# Allegro board 8880F5-0823_1_maisha.brd (continued)
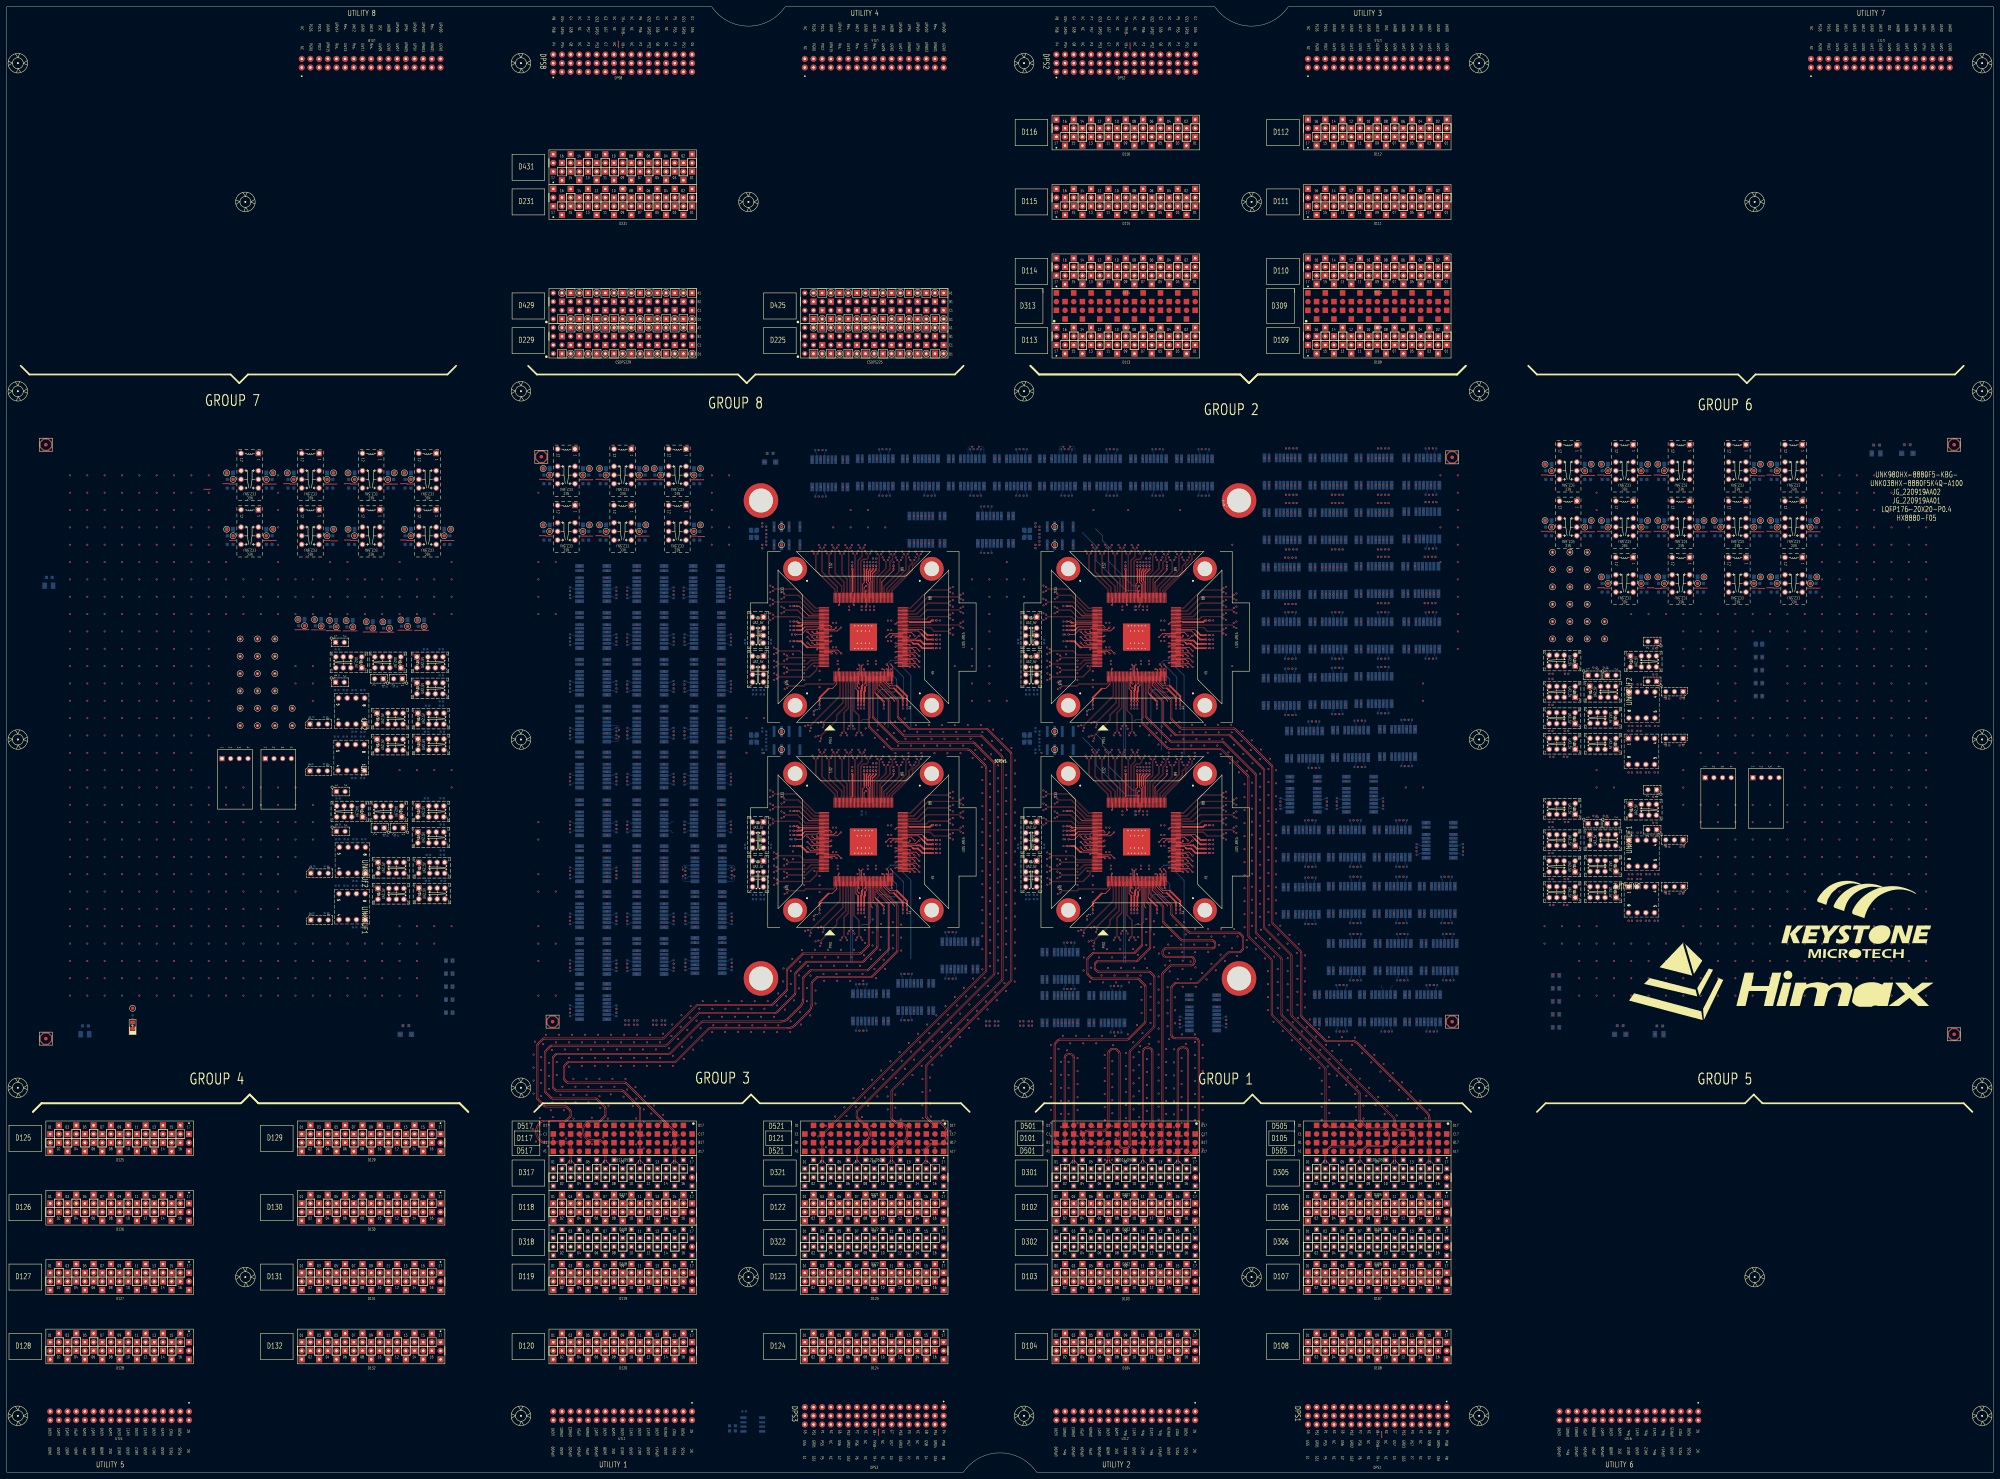
[diagram p0: board, top side]
## Routing (per net, layer and track width the routed paths; a pad name or vN(x,y) marks a point on that pad's centre or on a via; arc(x,y) is an arc through that point) (continued)
D32114: length 192.4
  TOP w0.147: D321.14 268.82,91.02 arc(268.98,91.26) 269.04,91.55 269.04,94.71 arc(269.1,95) 269.26,95.23 270.17,96.15 arc(270.41,96.31) 270.69,96.37 273.45,96.37 arc(273.58,96.39) 273.69,96.47 274.2,96.97 arc(274.81,97.88) 275.02,98.96 275.02,99.37 arc(274.81,100.45) 274.2,101.36 273.53,102.03 arc(273.42,102.1) 273.29,102.13 271.08,102.13 arc(270.8,102.18) 270.56,102.34 269.26,103.65 arc(269.1,103.89) 269.04,104.17 269.04,118.95 arc(269.1,119.23) 269.26,119.47 293.83,144.04 arc(293.9,144.15) 293.93,144.28 293.93,210.44 arc(293.9,210.57) 293.83,210.68 287.07,217.44 arc(286.96,217.51) 286.83,217.54 264.6,217.54 arc(264.31,217.59) 264.07,217.75 260.94,220.89 arc(260.78,221.13) 260.72,221.41 260.72,225.92 arc(260.7,226.05) 260.62,226.16 256.01,230.77 arc(255.88,230.97) 255.83,231.2 255.83,231.32 255.83,231.33 SITE1.35
D32116: length 192.4
  TOP w0.147: SITE1.36 256.23,231.33 256.23,231.32 256.23,231.2 arc(256.24,231.12) 256.29,231.06 260.9,226.44 arc(261.06,226.2) 261.12,225.92 261.12,221.41 arc(261.14,221.28) 261.22,221.17 264.35,218.03 arc(264.47,217.96) 264.6,217.93 286.83,217.93 arc(287.11,217.88) 287.35,217.72 294.11,210.96 arc(294.27,210.72) 294.32,210.44 294.32,144.28 arc(294.27,144) 294.11,143.76 269.54,119.19 arc(269.46,119.08) 269.44,118.95 269.44,104.17 arc(269.46,104.04) 269.54,103.93 270.84,102.62 arc(270.95,102.55) 271.08,102.52 273.29,102.52 arc(273.57,102.47) 273.81,102.31 274.48,101.64 arc(275.18,100.6) 275.42,99.37 275.42,98.96 arc(275.18,97.73) 274.48,96.69 273.97,96.18 arc(273.73,96.02) 273.45,95.97 270.69,95.97 arc(270.56,95.94) 270.45,95.87 269.54,94.95 arc(269.46,94.84) 269.44,94.71 269.44,91.55 arc(269.49,91.27) 269.65,91.03 D321.16
Net_1: length 1.5
  TOP w0.231: v1(229.4,185.39) 229.91,185.39 ; v1(309.4,245.39) 309.91,245.39 ; v1(309.4,185.39) 309.91,185.39
  vias: v1(223.55,259.7) v1(223.55,257.77) v1(223.55,255.84) v1(223.55,253.92) v1(223.55,251.61) v1(223.55,249.68) v1(223.55,199.7) v1(223.55,197.77) v1(223.55,195.84) v1(223.55,193.92) v1(223.55,191.61) v1(223.55,189.68) v1(224.6,241.56) v1(224.6,239.63) v1(224.64,237.71) v1(224.64,235.78) v1(224.6,181.56) v1(224.6,179.63) v1(224.64,177.71) v1(224.64,175.78) v1(224.7,234) v1(224.7,232.07) v1(224.7,174) v1(224.7,172.07) v1(226.85,257.77) v1(226.85,255.84) v1(226.85,253.53) v1(226.85,251.61) v1(226.85,197.77) v1(226.85,195.84) v1(226.85,193.54) v1(226.85,191.61) v1(227.63,239.65) v1(227.63,237.72) v1(227.65,235.93) v1(227.65,234) v1(227.63,179.65) v1(227.63,177.72) v1(227.65,175.93) v1(227.65,174) v1(227.75,231.32) v1(227.75,229.39) v1(227.75,171.32) v1(227.75,169.39) v1(230.19,241.84) v1(230.19,239.59) v1(230.19,181.84) v1(230.19,179.59) v1(233.79,218.54) v1(233.79,158.54) v1(235.15,217.18) v1(235.15,157.18) v1(235.89,269.91) v1(235.89,209.91) v1(236.8,215.47) v1(236.8,155.47) v1(237.59,219.55) v1(237.59,159.55) v1(237.77,271.64) v1(237.77,211.64) v1(237.82,269.91) v1(237.82,209.91) v1(238.17,214.11) v1(238.17,154.11) v1(238.96,218.18) v1(238.96,158.18) v1(239.69,271.64) v1(239.75,269.91) v1(239.69,211.64) v1(239.75,209.91) v1(241.62,271.64) v1(241.68,269.91) v1(241.62,211.64) v1(241.68,209.91) v1(243.55,271.64) v1(243.55,211.64) v1(243.61,269.91) v1(243.61,209.91) v1(244.15,215.84) v1(244.15,155.84) v1(245.54,271.63) v1(245.54,269.91) v1(245.54,211.63) v1(245.54,209.91) v1(246.08,215.84) v1(246.08,155.84) v1(246.26,217.79) v1(246.26,157.79) v1(247.47,271.63) v1(247.4,269.91) v1(247.47,211.63) v1(247.4,209.91) v1(248.19,217.79) v1(248.19,157.79) v1(248.6,215.85) v1(248.6,155.85) v1(249.33,269.91) v1(249.33,209.91) v1(249.39,271.63) v1(249.39,211.63) v1(250.53,215.85) v1(250.53,155.85) v1(251.32,271.63) v1(251.32,269.91) v1(251.32,211.63) v1(251.32,209.91) v1(253.25,269.91) v1(253.25,209.91) v1(254.53,269.69) v1(254.53,209.69) v1(256.46,269.69) v1(256.46,267.97) v1(256.46,209.69) v1(256.46,207.97) v1(258.39,269.69) v1(258.39,267.97) v1(258.39,209.69) v1(258.39,207.97) v1(260.32,269.69) v1(260.32,267.97) v1(260.32,209.69) v1(260.32,207.97) v1(262.25,269.69) v1(262.25,267.97) v1(262.25,209.69) v1(262.25,207.97) v1(264.18,269.69) v1(264.18,267.97) v1(264.18,209.69) v1(264.18,207.97) v1(266.11,269.69) v1(266.11,267.97) v1(266.11,209.69) v1(266.11,207.97) v1(268.04,269.69) v1(268.04,209.69) v1(277,259.34) v1(277,257.41) v1(277,255.48) v1(277,253.56) v1(277,251.63) v1(277,249.7) v1(277,247.27) v1(277,245.34) v1(277,199.34) v1(277,197.41) v1(277,195.49) v1(277,193.56) v1(277,191.63) v1(277,189.7) v1(277,187.27) v1(277,185.34) v1(280.05,257.41) v1(280.05,255.48) v1(280.05,253.56) v1(280.05,251.63) v1(280.05,249.19) v1(280.05,247.27) v1(280.05,197.41) v1(280.05,195.49) v1(280.05,193.56) v1(280.05,191.63) v1(280.05,189.19) v1(280.05,187.27) v1(303.55,259.7) v1(303.55,257.77) v1(303.55,255.84) v1(303.55,253.92) v1(303.55,251.61) v1(303.55,249.68) v1(303.55,199.7) v1(303.55,197.77) v1(303.55,195.84) v1(303.55,193.92) v1(303.55,191.61) v1(303.55,189.68) v1(304.6,241.56) v1(304.6,239.63) v1(304.64,237.71) v1(304.64,235.78) v1(304.6,181.56) v1(304.6,179.63) v1(304.64,177.71) v1(304.64,175.78) v1(304.7,234) v1(304.7,232.07) v1(304.7,174) v1(304.7,172.07) v1(306.85,257.77) v1(306.85,255.84) v1(306.85,253.53) v1(306.85,251.61) v1(306.85,197.77) v1(306.85,195.84) v1(306.85,193.54) v1(306.85,191.61) v1(307.63,239.65) v1(307.63,237.72) v1(307.65,235.93) v1(307.65,234) v1(307.63,179.65) v1(307.63,177.72) v1(307.65,175.93) v1(307.65,174) v1(307.75,231.32) v1(307.75,229.39) v1(307.75,171.32) v1(307.75,169.39) v1(310.19,241.84) v1(310.19,239.59) v1(310.19,181.84) v1(310.19,179.59) v1(313.79,218.54) v1(313.79,158.54) v1(315.15,217.18) v1(315.15,157.18) v1(315.89,269.91) v1(315.89,209.91) v1(316.8,215.47) v1(316.8,155.47) v1(317.59,219.55) v1(317.59,159.55) v1(317.77,271.64) v1(317.77,211.64) v1(317.82,269.91) v1(317.82,209.91) v1(318.16,214.11) v1(318.16,154.11) v1(318.95,218.18) v1(318.95,158.18) v1(319.69,271.64) v1(319.75,269.91) v1(319.69,211.64) v1(319.75,209.91) v1(321.62,271.64) v1(321.68,269.91) v1(321.62,211.64) v1(321.68,209.91) v1(323.55,271.64) v1(323.55,211.64) v1(323.61,269.91) v1(323.61,209.91) v1(324.15,215.84) v1(324.15,155.84) v1(325.54,271.63) v1(325.54,269.91) v1(325.54,211.63) v1(325.54,209.91) v1(326.08,215.84) v1(326.08,155.84) v1(326.26,217.79) v1(326.26,157.79) v1(327.47,271.63) v1(327.4,269.91) v1(327.47,211.63) v1(327.4,209.91) v1(328.19,217.79) v1(328.19,157.79) v1(328.6,215.85) v1(328.6,155.85) v1(329.33,269.91) v1(329.33,209.91) v1(329.39,271.63) v1(329.39,211.63) v1(330.53,215.85) v1(330.53,155.85) v1(331.32,271.63) v1(331.32,269.91) v1(331.32,211.63) v1(331.32,209.91) v1(333.25,269.91) v1(333.25,209.91) v1(334.53,209.69) v1(334.58,269.75) v1(336.46,269.69) v1(336.46,267.97) v1(336.46,209.69) v1(336.46,207.97) v1(338.39,269.69) v1(338.39,267.97) v1(338.39,209.69) v1(338.39,207.97) v1(340.32,269.69) v1(340.32,267.97) v1(340.32,209.69) v1(340.32,207.97) v1(342.25,269.69) v1(342.25,267.97) v1(342.25,209.69) v1(342.25,207.97) v1(344.18,269.69) v1(344.18,267.97) v1(344.18,209.69) v1(344.18,207.97) v1(346.11,269.69) v1(346.11,267.97) v1(346.11,209.69) v1(346.11,207.97) v1(347.71,154.57) v1(348.04,269.69) v1(348.04,209.69) v1(351.52,154.57) v1(357,259.34) v1(357,257.41) v1(357,255.48) v1(357,253.56) v1(357,251.63) v1(357,249.7) v1(357,247.27) v1(357,245.34) v1(357,199.34) v1(357,197.41) v1(357,195.49) v1(357,193.56) v1(357,191.63) v1(357,189.7) v1(357,187.27) v1(357,185.34) v1(360.05,257.41) v1(360.05,255.48) v1(360.05,253.56) v1(360.05,251.63) v1(360.05,249.19) v1(360.05,247.27) v1(360.05,197.41) v1(360.05,195.49) v1(360.05,193.56) v1(360.05,191.63) v1(360.05,189.19) v1(360.05,187.27)
Net_2: length 0.4
  BOTTOM w0.119: 242.07,241.63 v1(241.87,241.63) ; 242.67,241.63 v1(242.87,241.63)
  vias: v1(233.5,237.74) v1(233.5,235.89) v1(233.5,234.03) v1(233.5,232.05) v1(233.5,177.74) v1(233.5,175.89) v1(233.5,174.03) v1(233.5,172.05) v1(236.49,236.12) v1(236.49,176.12) v1(237.99,234.65) v1(237.99,232.05) v1(237.99,229.95) v1(237.99,174.65) v1(237.99,172.05) v1(237.99,169.95) v1(241.87,248.83) v1(241.87,188.83) v1(241.87,181.63) v1(242.87,248.83) v1(242.87,188.83) v1(242.87,181.63) v1(243.28,237.69) v1(243.28,236.69) v1(243.28,177.69) v1(243.28,176.69) v1(246.67,253.59) v1(246.67,252.59) v1(249.1,235.23) v1(249.1,175.23) v1(252.08,237.69) v1(252.08,236.69) v1(252.08,177.69) v1(252.08,176.69) v1(252.74,253.59) v1(252.74,252.59) v1(253.94,253.59) v1(253.94,252.59) v1(254.48,237.69) v1(254.48,236.69) v1(254.48,177.69) v1(254.48,176.69) v1(257.99,249.47) v1(257.99,243.47) v1(257.99,189.47) v1(257.99,183.47) v1(259,249.47) v1(259,243.47) v1(259,189.47) v1(259,183.47) v1(313.5,237.74) v1(313.5,235.89) v1(313.5,234.03) v1(313.5,232.05) v1(313.5,177.74) v1(313.5,175.89) v1(313.5,174.03) v1(313.5,172.05) v1(316.49,236.12) v1(316.49,176.12) v1(317.99,234.65) v1(317.99,232.05) v1(317.99,229.95) v1(317.99,174.65) v1(317.99,172.05) v1(317.99,169.95) v1(321.87,248.83) v1(321.87,241.63) v1(321.87,188.83) v1(321.87,181.63) v1(322.87,248.83) v1(322.87,241.63) v1(322.87,188.83) v1(322.87,181.63) v1(323.28,237.69) v1(323.28,236.69) v1(323.28,177.69) v1(323.28,176.69) v1(326.67,253.59) v1(326.67,252.59) v1(326.67,193.59) v1(326.67,192.59) v1(329.1,235.23) v1(329.1,175.23) v1(332.08,237.69) v1(332.08,236.69) v1(332.08,177.69) v1(332.08,176.69) v1(332.74,253.59) v1(332.74,252.59) v1(332.74,193.59) v1(332.74,192.59) v1(333.94,253.59) v1(333.94,252.59) v1(333.94,193.59) v1(333.94,192.59) v1(334.48,237.69) v1(334.48,236.69) v1(334.48,177.69) v1(334.48,176.69) v1(337.99,249.47) v1(337.99,243.47) v1(337.99,189.47) v1(337.99,183.47) v1(339,249.47) v1(339,243.47) v1(339,189.47) v1(339,183.47)
Net_1691: length 3
  BOTTOM w0.119: 195.26,190.59 194.78,190.59 194.3,190.12 192.47,190.12
Net_1692: length 3
  BOTTOM w0.119: 192.47,187.92 194.3,187.92 194.78,187.45 195.26,187.45
Net_2069: length 3
  BOTTOM w0.119: 402.97,139.89 402.97,141.73 402.5,142.2 402.5,142.68
Net_2070: length 3
  BOTTOM w0.119: 405.17,139.89 405.17,141.73 405.64,142.2 405.64,142.68
S1_1TX_100DCH001+: length 157.4
  L07_SIGNAL w0.071: 161.51,212.92 173.41,212.92 177.04,216.55 178.43,216.55 178.5,216.62 v2(178.5,217.02)
  L30_SIGNAL w0.071: v2(178.5,217.02) 178.97,216.55 179.28,216.55 182.74,220.01 185.84,220.01 190.12,224.29 190.12,251.56 192.4,253.84 222.07,253.84 222.84,253.08 224.67,253.08 226.78,255.19 242.05,255.19 249.38,262.52 249.38,266.85 250.91,268.37 252.98,268.37 253.79,269.18 253.79,271.6 258.39,276.19 267.43,276.19 267.84,276.61 v1(267.84,280.1)
S1_1TX_100DCH001-: length 157.4
  L07_SIGNAL w0.071: 161.51,212.72 173.49,212.72 177.12,216.35 178.43,216.35 178.5,216.28 v2(178.5,215.88)
  L30_SIGNAL w0.071: v2(178.5,215.88) 178.97,216.35 179.36,216.35 182.83,219.81 185.93,219.81 190.32,224.21 190.32,251.48 192.48,253.64 221.99,253.64 222.75,252.88 224.75,252.88 226.86,255 242.14,255 249.58,262.44 249.58,266.76 250.99,268.17 253.07,268.17 253.99,269.1 253.99,271.52 258.47,275.99 267.41,275.99 267.84,275.56 v1(267.84,272.1)
S1_1TX_100DCH002+: length 164.4
  TOP w0.086: SITE1.75 263.98,248.03 264.06,248.11 278.84,248.11 v1(279.29,247.66)
  L07_SIGNAL w0.071: v2(164.91,217.02) 164.91,216.62 164.84,216.55 160.15,216.55 159.87,216.28
  L30_SIGNAL w0.071: v1(279.29,247.66) 278.82,248.13 264.95,248.13 261.65,244.82 261.65,241.94 260.58,240.88 255.95,240.88 253.89,238.81 232.46,238.81 229.67,236.01 229.67,234.14 217.97,222.44 212.15,222.44 202.98,213.28 162.18,213.28 161.13,214.33 161.13,215.57 162.12,216.56 164.44,216.56 v2(164.91,217.02)
S1_1TX_100DCH002-: length 163.6
  TOP w0.086: SITE1.76 263.98,248.43 264.06,248.35 278.84,248.35 v1(279.29,248.8)
  L07_SIGNAL w0.071: v2(164.91,215.88) 164.91,216.28 164.84,216.35 160.23,216.35 160.01,216.14
  L30_SIGNAL w0.071: v1(279.29,248.8) 278.82,248.33 264.87,248.33 261.45,244.91 261.45,242.03 260.5,241.08 255.87,241.08 253.8,239.01 232.38,239.01 229.47,236.1 229.47,234.22 217.89,222.64 212.06,222.64 202.9,213.48 162.26,213.48 161.33,214.41 161.33,215.49 162.2,216.36 164.43,216.36 v2(164.91,215.88)
S1_1TX_100DCH003+: length 146.5
  TOP w0.086: v1(276.24,250.09) 275.8,250.53 270.02,250.53 269.2,249.71 264.06,249.71 263.98,249.63 SITE1.79
  L07_SIGNAL w0.071: 162.12,226.46 206.75,226.46 210.56,230.27 211.95,230.27 212.03,230.34 v2(212.03,230.74)
  L30_SIGNAL w0.071: v2(212.03,230.74) 211.56,230.27 210.76,230.27 210.24,230.79 210.24,233.8 216.61,240.18 220.89,240.18 224.83,244.12 231.86,244.12 234.02,241.96 241.37,241.96 244.68,245.28 259.62,245.28 264.91,250.56 275.77,250.56 v1(276.24,250.09)
S1_1TX_100DCH003-: length 147.2
  TOP w0.086: v1(276.24,251.23) 275.78,250.77 269.92,250.77 269.1,249.95 264.06,249.95 263.98,250.03 SITE1.80
  L07_SIGNAL w0.071: 162.12,226.26 206.83,226.26 210.64,230.07 211.95,230.07 212.03,230 v2(212.03,229.6)
  L30_SIGNAL w0.071: v2(212.03,229.6) 211.55,230.07 210.67,230.07 210.04,230.71 210.04,233.88 216.53,240.38 220.81,240.38 224.75,244.32 231.94,244.32 234.1,242.16 241.29,242.16 244.6,245.47 259.54,245.47 264.83,250.76 275.77,250.76 v1(276.24,251.23)
S1_1TX_100DCH004+: length 152.1
  TOP w0.086: SITE1.81 263.98,250.43 264.06,250.51 267.46,250.51 269.46,252.51 278.8,252.51 v1(279.29,252.02)
  L07_SIGNAL w0.071: 162.23,228.71 195.48,228.71 197.04,230.27 198.37,230.27 198.44,230.34 v2(198.44,230.74)
  L30_SIGNAL w0.071: v2(198.44,230.74) 197.98,230.28 196.7,230.28 196.22,230.76 196.22,233.94 211,248.72 226.3,248.72 228.18,250.6 255.02,250.6 256.91,252.49 278.82,252.49 v1(279.29,252.02)
S1_1TX_100DCH004-: length 152.7
  TOP w0.086: SITE1.82 263.98,250.83 264.06,250.75 267.37,250.75 269.36,252.75 278.88,252.75 v1(279.29,253.16)
  L07_SIGNAL w0.071: v1(198.44,229.6) 198.44,230 198.37,230.07 197.12,230.07 195.56,228.51 162.23,228.51
  L30_SIGNAL w0.071: v1(279.29,253.16) 278.82,252.69 256.83,252.69 254.94,250.8 228.09,250.8 226.21,248.92 210.92,248.92 196.02,234.02 196.02,230.67 196.61,230.08 197.95,230.08 v1(198.44,229.6)
S1_1TX_100DCH005+: length 234.9
  TOP w0.086: SITE1.83 263.98,251.23 264.06,251.31 266.53,251.31 269.61,254.39 275.8,254.39 v1(276.24,253.95)
  L07_SIGNAL w0.071: 158.71,314.41 285.2,314.41 297.04,302.57 297.04,299.73 296.97,299.66 v2(296.56,299.66)
  L30_SIGNAL w0.071: v1(276.24,253.95) 276.72,254.42 287.87,254.42 303.76,270.32 303.76,286.15 301.58,288.33 301.58,300.64 300.15,302.07 297.7,302.07 297.04,301.41 297.04,300.13 v2(296.56,299.66)
S1_1TX_100DCH005-: length 234.2
  TOP w0.086: v1(276.24,255.09) 275.78,254.63 269.51,254.63 266.43,251.55 264.06,251.55 263.98,251.63 SITE1.84
  L07_SIGNAL w0.071: 158.71,314.61 285.28,314.61 297.24,302.65 297.24,299.73 297.31,299.66 v2(297.71,299.66)
  L30_SIGNAL w0.071: v1(276.24,255.09) 276.72,254.62 287.78,254.62 303.56,270.4 303.56,286.07 301.38,288.25 301.38,300.56 300.07,301.88 297.78,301.88 297.23,301.33 297.23,300.13 v2(297.71,299.66)
S1_1TX_100DCH006+: length 220.1
  TOP w0.086: SITE1.85 263.98,252.03 264.06,252.11 265.58,252.11 269.82,256.36 278.81,256.36 v1(279.29,255.88)
  L07_SIGNAL w0.071: 158.71,309.39 281.47,309.39 288,302.86 288,296.79 297.04,287.75 297.04,286.14 296.97,286.07 v2(296.56,286.07)
  L30_SIGNAL w0.071: v1(279.29,255.88) 279.76,256.35 284.48,256.35 299.61,271.49 299.61,287.9 299.05,288.47 297.72,288.47 297.03,287.78 297.03,286.54 v2(296.56,286.07)
S1_1TX_100DCH006-: length 219.4
  TOP w0.086: v1(279.29,257.02) 278.87,256.6 269.73,256.6 265.48,252.35 264.06,252.35 263.98,252.43 SITE1.86
  L07_SIGNAL w0.071: 158.71,309.59 281.55,309.59 288.2,302.94 288.2,296.87 297.24,287.83 297.24,286.14 297.31,286.07 v2(297.71,286.07)
  L30_SIGNAL w0.071: v1(279.29,257.02) 279.76,256.55 284.39,256.55 299.42,271.57 299.42,287.82 298.96,288.27 297.8,288.27 297.23,287.7 297.23,286.54 v2(297.71,286.07)
S1_1TX_100DCH007+: length 262.8
  TOP w0.086: v1(276.24,257.81) 275.83,258.23 269.88,258.23 264.57,252.91 264.06,252.91 263.98,252.83 SITE1.87
  L07_SIGNAL w0.071: 158.71,320.28 299.57,320.28 310.24,309.61 310.24,299.73 310.17,299.66 v2(309.77,299.66)
  L30_SIGNAL w0.071: v1(276.24,257.81) 276.72,258.28 281.85,258.28 290.07,266.5 290.07,303.01 292.63,305.57 308.36,305.57 310.23,303.7 310.23,300.11 v2(309.77,299.66)
S1_1TX_100DCH007-: length 263.5
  TOP w0.086: v1(276.24,258.95) 275.76,258.47 269.78,258.47 264.47,253.15 264.06,253.15 263.98,253.23 SITE1.88
  L07_SIGNAL w0.071: 158.71,320.48 299.65,320.48 310.44,309.69 310.44,299.73 310.51,299.66 v2(310.92,299.66)
  L30_SIGNAL w0.071: v1(276.24,258.95) 276.72,258.48 281.76,258.48 289.87,266.58 289.87,303.09 292.55,305.77 308.44,305.77 310.43,303.79 310.43,300.14 v2(310.92,299.66)
S1_2AUX+:
  vias: v1(184.65,132.33) v1(184.65,131.06)
S1_2AUX-:
  vias: v1(181.11,131.06) v1(182.11,132.33)
S1_2TX_100DCH001+: length 238.6
  TOP w0.086: v1(267.64,268.93) 267.21,268.5 267.21,267.41 265.32,265.52 265.32,264.13 259.35,258.16 259.35,257.86 259.43,257.78 SITE1.89
  L05_SIGNAL w0.071: v2(309.77,286.07) 310.17,286.07 310.24,286.14 310.24,287.82 307.04,291.03 296.33,291.03 291.37,295.98 291.37,301.49 282.21,310.66 158.71,310.66
  L32_SIGNAL w0.071: v1(267.64,268.93) 267.17,269.4 267.17,270.43 267.62,270.89 297.1,270.89 299.78,273.57 299.78,278.4 308.76,287.38 309.88,287.38 310.24,287.02 310.24,286.54 v2(309.77,286.07)
S1_2TX_100DCH001-: length 239.6
  TOP w0.086: SITE1.90 259.03,257.78 259.11,257.86 259.11,258.26 265.08,264.23 265.08,265.62 266.97,267.51 266.97,268.46 v1(266.5,268.93)
  L05_SIGNAL w0.071: v2(310.92,286.07) 310.51,286.07 310.44,286.14 310.44,287.9 307.12,291.22 296.41,291.22 291.57,296.06 291.57,301.57 282.29,310.86 158.71,310.86
  L32_SIGNAL w0.071: v1(266.5,268.93) 266.97,269.4 266.97,270.52 267.54,271.08 297.02,271.08 299.58,273.65 299.58,278.48 308.68,287.58 309.96,287.58 310.44,287.1 310.44,286.54 v2(310.92,286.07)
S1_2TX_100DCH002+: length 348.5
  TOP w0.086: SITE1.91 258.63,257.78 258.55,257.86 258.55,258.23 264.35,264.04 264.35,265.37 265.28,266.31 265.28,266.78 v1(265.72,267.21)
  L05_SIGNAL w0.071: v2(349.9,299.66) 350.31,299.66 350.38,299.73 350.38,302.41 328.29,324.5 158.71,324.5
  L32_SIGNAL w0.071: v2(349.9,299.66) 350.38,300.13 350.38,301.35 350.95,301.92 353.29,301.92 354.54,300.67 354.54,288.45 344.95,278.85 319.8,278.85 310.52,288.12 305.08,288.12 303.08,286.12 303.08,283.76 294.24,274.92 266.37,274.92 265.06,273.61 265.06,271.19 265.24,271.01 265.24,267.69 v1(265.72,267.21)
S1_2TX_100DCH002-: length 348.2
  TOP w0.086: SITE1.92 258.23,257.78 258.31,257.86 258.31,258.33 264.11,264.13 264.11,265.47 265.04,266.4 265.04,266.74 v1(264.57,267.21)
  L05_SIGNAL w0.071: v2(351.05,299.66) 350.65,299.66 350.58,299.73 350.58,302.5 328.38,324.69 158.71,324.69
  L32_SIGNAL w0.071: v1(264.57,267.21) 265.04,267.69 265.04,270.93 264.86,271.11 264.86,273.69 266.29,275.12 294.16,275.12 302.88,283.84 302.88,286.21 304.99,288.32 310.61,288.32 319.88,279.05 344.87,279.05 354.34,288.53 354.34,300.59 353.2,301.73 351.03,301.73 350.57,301.27 350.57,300.13 v2(351.05,299.66)
S1_2TX_100DCH003+: length 348.7
  TOP w0.086: SITE1.93 257.83,257.78 257.75,257.86 257.75,258.68 263.34,264.27 263.34,268.49 v1(263.79,268.93)
  L05_SIGNAL w0.071: 158.71,326.01 330.23,326.01 351.65,304.59 351.65,289.17 350.38,287.9 350.38,286.14 350.31,286.07 v2(349.9,286.07)
  L32_SIGNAL w0.071: v2(349.9,286.07) 350.38,286.54 350.38,287.5 349.82,288.05 344.9,288.05 336.83,279.98 321.4,279.98 318.6,282.79 317.38,282.79 309.96,290.2 301.99,290.2 300.96,289.17 300.96,283.33 293.77,276.14 265.14,276.14 263.31,274.31 263.31,269.4 v1(263.79,268.93)
S1_2TX_100DCH003-: length 349.7
  TOP w0.086: SITE1.94 257.43,257.78 257.51,257.86 257.51,258.78 263.1,264.37 263.1,268.47 v1(262.64,268.93)
  L05_SIGNAL w0.071: v2(351.05,286.07) 350.65,286.07 350.58,286.14 350.58,287.82 351.84,289.09 351.84,304.67 330.31,326.2 158.71,326.2
  L32_SIGNAL w0.071: v1(262.64,268.93) 263.12,269.4 263.12,274.4 265.06,276.34 293.69,276.34 300.76,283.41 300.76,289.25 301.91,290.4 310.05,290.4 317.46,282.98 318.68,282.98 321.49,280.18 336.74,280.18 344.81,288.25 349.9,288.25 350.57,287.58 350.57,286.54 v2(351.05,286.07)
S1_2TX_100DCH004+: length 331.2
  TOP w0.086: v1(261.86,267.21) 261.41,266.77 261.41,263.74 256.95,259.28 256.95,257.86 257.03,257.78 SITE1.95
  L05_SIGNAL w0.071: 158.71,322.67 319.8,322.67 336.91,305.55 336.91,299.73 336.84,299.66 v2(336.44,299.66)
  L32_SIGNAL w0.071: v2(336.44,299.66) 336.91,300.13 336.91,301.49 337.73,302.3 339.51,302.3 340.57,301.24 340.57,286.3 335.09,280.82 322.51,280.82 312,291.33 299.75,291.33 298.72,290.3 298.72,282.26 293.79,277.34 264.2,277.34 261.38,274.52 261.38,267.69 v1(261.86,267.21)
S1_2TX_100DCH004-: length 330.8
  TOP w0.086: v1(260.71,267.21) 261.17,266.75 261.17,263.84 256.71,259.38 256.71,257.86 256.63,257.78 SITE1.96
  L05_SIGNAL w0.071: 158.71,322.87 319.88,322.87 337.11,305.63 337.11,299.73 337.18,299.66 v2(337.59,299.66)
  L32_SIGNAL w0.071: v2(337.59,299.66) 337.11,300.13 337.11,301.41 337.81,302.11 339.43,302.11 340.37,301.16 340.37,286.39 335.01,281.02 322.6,281.02 312.09,291.53 299.67,291.53 298.52,290.38 298.52,282.35 293.71,277.54 264.12,277.54 261.19,274.6 261.19,267.69 v1(260.71,267.21)
S1_2TX_100DCH005+: length 312.2
  TOP w0.086: v1(259.93,268.93) 259.46,268.47 259.46,267.3 258.7,266.53 258.7,264.43 255.75,261.48 255.75,257.86 255.83,257.78 SITE1.98
  L05_SIGNAL w0.071: 158.71,313.1 282.23,313.1 294.18,301.14 294.18,296.44 297.59,293.03 331.69,293.03 336.91,287.8 336.91,286.14 336.84,286.07 v2(336.44,286.07)
  L32_SIGNAL w0.071: v1(259.93,268.93) 259.45,269.4 259.45,274.56 263.32,278.42 277.21,278.42 279.92,281.14 290.75,281.14 296.18,286.57 296.18,289.44 299.25,292.51 314.75,292.51 318,289.26 318,286.98 322.26,282.72 333.3,282.72 334.35,283.77 334.35,287.1 335.5,288.25 336.32,288.25 336.91,287.65 336.91,286.54 v2(336.44,286.07)
S1_2TX_100DCH005-: length 313.2
  TOP w0.086: v1(258.78,268.93) 259.23,268.49 259.23,267.39 258.46,266.63 258.46,264.53 255.51,261.58 255.51,257.86 255.43,257.78 SITE1.99
  L05_SIGNAL w0.071: v2(337.59,286.07) 337.18,286.07 337.11,286.14 337.11,287.88 331.77,293.23 297.67,293.23 294.38,296.52 294.38,301.22 282.31,313.3 158.71,313.3
  L32_SIGNAL w0.071: v2(337.59,286.07) 337.11,286.54 337.11,287.74 336.4,288.45 335.41,288.45 334.15,287.19 334.15,283.85 333.22,282.92 322.34,282.92 318.2,287.07 318.2,289.35 314.83,292.71 299.17,292.71 295.98,289.52 295.98,286.65 290.66,281.34 279.84,281.34 277.12,278.62 263.24,278.62 259.26,274.64 259.26,269.4 v1(258.78,268.93)
S1_2TX_100DCH006+: length 301.8
  TOP w0.086: v1(258,267.21) 257.55,266.76 257.55,264.67 254.95,262.07 254.95,257.86 255.03,257.78 SITE1.100
  L05_SIGNAL w0.071: v2(322.98,299.66) 323.38,299.66 323.45,299.73 323.45,304.83 306.8,321.48 158.71,321.48
  L32_SIGNAL w0.071: v1(258,267.21) 257.53,267.69 257.53,274.75 264.82,282.05 288.42,282.05 293.95,287.58 293.95,288.91 298.63,293.59 315.28,293.59 321.18,287.69 321.18,285.25 322.48,283.95 324.63,283.95 325.35,284.68 325.35,302.07 324.77,302.66 324.14,302.66 323.45,301.97 323.45,300.13 v2(322.98,299.66)
S1_2TX_100DCH006-: length 301.5
  TOP w0.086: v1(256.85,267.21) 257.31,266.76 257.31,264.77 254.71,262.17 254.71,257.86 254.63,257.78 SITE1.101
  L05_SIGNAL w0.071: 158.71,321.67 306.89,321.67 323.65,304.91 323.65,299.73 323.72,299.66 v2(324.12,299.66)
  L32_SIGNAL w0.071: v1(256.85,267.21) 257.33,267.69 257.33,274.84 264.74,282.25 288.34,282.25 293.75,287.66 293.75,288.99 298.55,293.79 315.36,293.79 321.38,287.77 321.38,285.33 322.57,284.15 324.55,284.15 325.15,284.76 325.15,301.99 324.68,302.46 324.22,302.46 323.65,301.89 323.65,300.13 v2(324.12,299.66)
S1_2TX_100DCH007+: length 282.8
  TOP w0.086: SITE1.102 254.23,257.78 254.15,257.86 254.15,262.58 255.64,264.07 255.64,268.51 v1(256.07,268.93)
  L05_SIGNAL w0.071: 158.71,311.96 282.35,311.96 293.69,300.61 293.69,295.7 297.2,292.19 318.97,292.19 323.45,287.71 323.45,286.14 323.38,286.07 v2(322.98,286.07)
  L32_SIGNAL w0.071: v1(256.07,268.93) 255.6,269.4 255.6,278.38 260.95,283.74 286.69,283.74 298.12,295.17 316.04,295.17 323.45,287.75 323.45,286.54 v2(322.98,286.07)
S1_2TX_100DCH007-: length 283.8
  TOP w0.086: v1(254.93,268.93) 255.4,268.46 255.4,264.17 253.91,262.68 253.91,257.86 253.83,257.78 SITE1.103
  L05_SIGNAL w0.071: v2(324.12,286.07) 323.72,286.07 323.65,286.14 323.65,287.79 319.05,292.38 297.28,292.38 293.89,295.78 293.89,300.7 282.43,312.15 158.71,312.15
  L32_SIGNAL w0.071: v1(254.93,268.93) 255.4,269.4 255.4,278.46 260.87,283.93 286.61,283.93 298.04,295.37 316.12,295.37 323.65,287.84 323.65,286.54 v2(324.12,286.07)
S1_3TX_100DCH002+: length 167.2
  TOP w0.086: v1(250.93,270.87) 250.46,270.4 250.46,268.18 249.35,267.06 249.35,257.86 249.43,257.78 SITE1.114
  L07_SIGNAL w0.071: v2(269.64,286.07) 270.04,286.07 270.11,286 270.11,284.65 267.27,281.81 257.33,281.81 253.12,277.59 236.02,277.59 223.27,264.85 160.31,264.85
  L30_SIGNAL w0.071: v1(250.93,270.87) 250.46,271.34 250.46,276.34 262,287.89 269.82,287.89 270.13,287.58 270.13,286.55 v2(269.64,286.07)
S1_3TX_100DCH002-: length 168.2
  TOP w0.086: SITE1.115 249.03,257.78 249.11,257.86 249.11,267.16 250.22,268.28 250.22,270.43 v1(249.79,270.87)